# Altium PCB XTIDA-010086.PcbDoc (part 8 of 17) (continued)
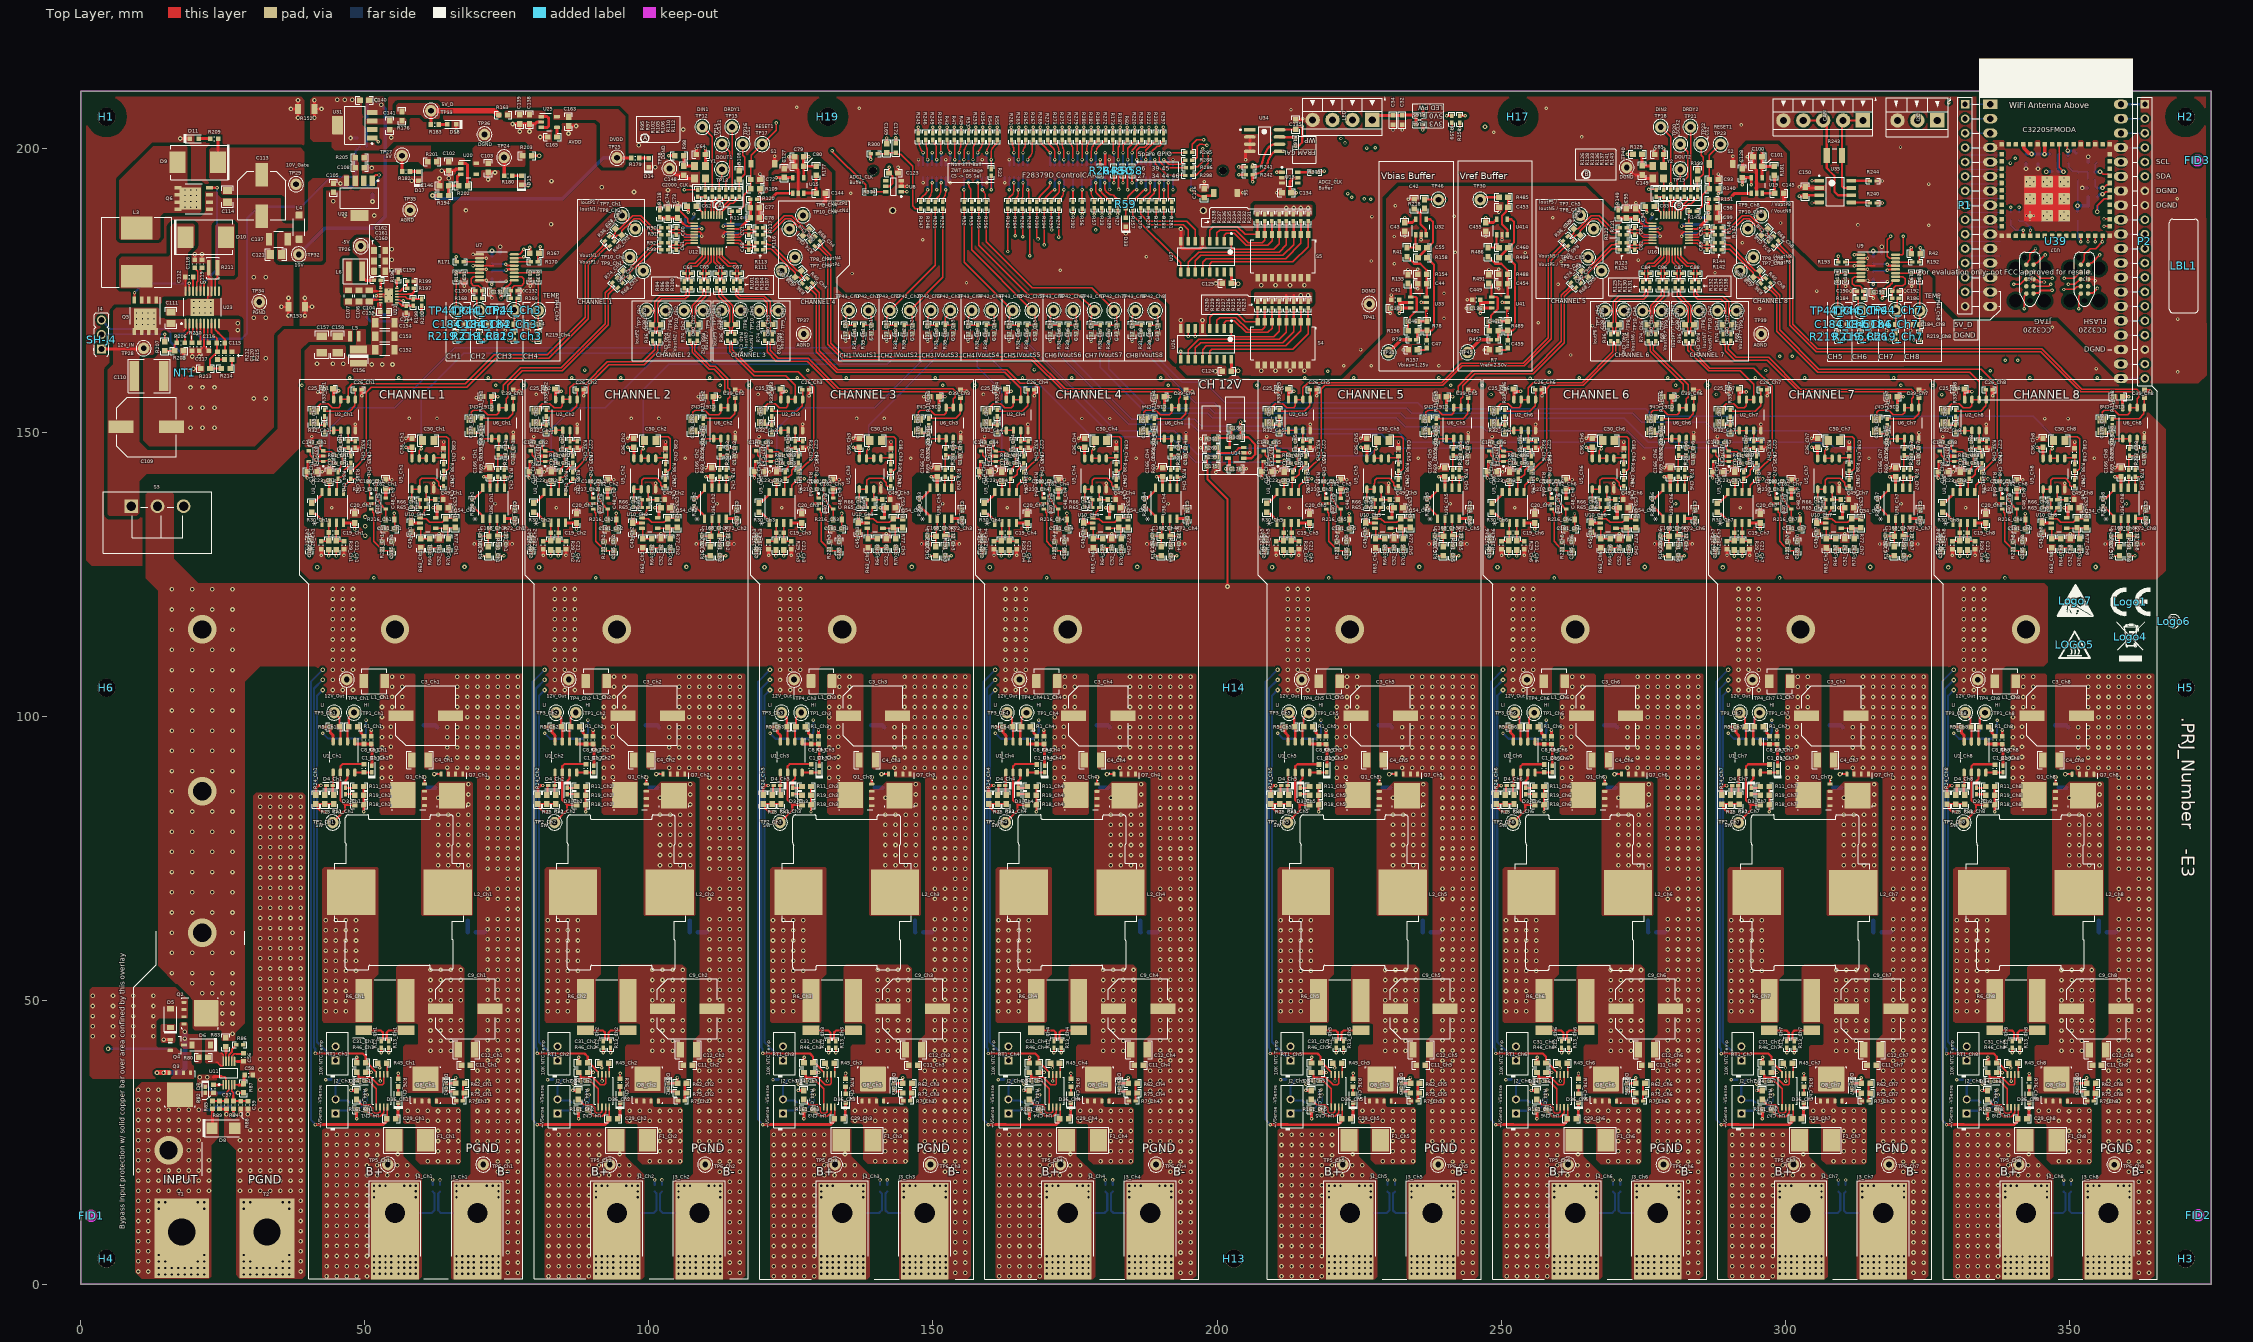
[diagram p0: Top Layer view]
## Nets (pads, with @x,y where several pads share a name; then routed paths per layer and width w, separated by ;. In a path a pad name is that pad's centre, name@x,y a point inside that pad or via, vN(x,y) a via of type N, cw(c..) or ccw(c..) an arc to the next point about the centre after c; other vN are vias at no path point) (continued)
  Top Layer w0.254: U17.35@348.258,200.622 348.258,196.582 v1(349.012,195.828)
  Bottom Layer w0.541: R306.1@348.247,198.933 348.141,198.827 348.141,197.458 348.111,197.428 D12.2@348.035,197.428 D13.2@348.035,195.828 v1(349.012,195.828)
CC3220_reset: D12.1
CLK1: R292.2 U8.1 | length 32.9
  Top Layer w0.254: U8.1@144.428,192.302 144.44,192.29 145.403,192.29 v2(145.415,192.278) ; v2(174.671,188.3) R292.2@174.671,189.327
  Signal Layer 1 w0.254: v2(145.415,192.278) 148.385,189.308 173.664,189.308 v2(174.671,188.3)
CLK2: R56.2 U13.1 | length 39.8
  Top Layer w0.254: v2(176.271,188.3) R56.2@176.271,189.327
  Top Layer w0.508: v2(210.497,195.745) U13.1@211.442,195.745
  Signal Layer 1 w0.254: v2(176.271,188.3) 176.329,188.357 176.329,189.308 178.613,191.592 200.152,191.592 201.625,193.065 207.817,193.065 v2(210.497,195.745)
CLK_Counter: R95.1 R97.1 U12.23 | length 4.6
  Top Layer w0.254: R95.1@108.588,191.45 R97.1@109.934,191.45 109.929,191.444 U12.23@109.929,188.214
CS1: R108.1 R112.2 R282.2 TP16.1 | length 96.7
  Top Layer w0.254: R112.2@115.878,192.65 115.878,194.425 R108.1@115.903,194.45 116.853,195.4 116.853,198.365 116.513,198.705 TP16.1@116.513,200.686 ; R282.2@177.833,202.606 v2(177.833,203.633)
  Signal Layer 1 w0.254: TP16.1@116.513,200.686 114.989,202.209 111.007,202.209 109.19,200.392 109.19,195.178 110.477,193.891 132.245,193.891 139.192,200.838 175.038,200.838 v2(177.833,203.633)
CS2: R139.1 R143.2 R285.2 TP22.1 | length 103.9
  Top Layer w0.254: R285.2@195.633,199.263 195.633,200.66 196.431,201.458 v2(197.626,201.458) ; R143.2@284.577,192.642 284.577,194.417 285.553,195.392 285.553,198.357 285.212,198.697 TP22.1@285.212,200.678
  Signal Layer 1 w0.254: v2(197.626,201.458) 208.33,201.458 209.17,200.617 219.009,200.617 221.963,197.663 264.305,197.663 268.775,202.133 283.756,202.133 TP22.1@285.212,200.678
CS+_Ch1: R12_Ch1.1 R29_Ch1.1 | length 108.1
  Top Layer w0.254: v2(44.994,128.188) R29_Ch1.1@44.994,129.255
  Top Layer w0.381: v2(52.883,40.742) R12_Ch1.1@52.883,41.598
  Signal Layer 1 w0.254: v2(44.994,128.188) 44.994,128.284 44.537,128.741 44.537,129.676 44.909,130.048 55.143,130.048 59.385,125.806 59.385,100.365 56.896,97.876 56.896,87.401 54.788,85.292 54.788,44.477 53.269,42.959 53.269,41.224 52.883,40.838 v2(52.883,40.742)
CS+_Ch2: R12_Ch2.1 R29_Ch2.1 | length 108.1
  Top Layer w0.254: v2(84.059,128.186) R29_Ch2.1@84.059,129.253
  Top Layer w0.381: v2(91.948,40.74) R12_Ch2.1@91.948,41.596
  Signal Layer 1 w0.254: v2(84.059,128.186) 84.059,128.282 83.602,128.739 83.602,129.674 83.974,130.046 94.209,130.046 98.45,125.804 98.45,100.363 95.961,97.874 95.961,87.399 93.853,85.29 93.853,44.475 92.334,42.957 92.334,41.222 91.948,40.836 v2(91.948,40.74)
CS+_Ch3: R12_Ch3.1 R29_Ch3.1 | length 108.1
  Top Layer w0.254: v2(123.734,128.184) R29_Ch3.1@123.734,129.251
  Top Layer w0.381: v2(131.623,40.738) R12_Ch3.1@131.623,41.594
  Signal Layer 1 w0.254: v2(123.734,128.184) 123.734,128.28 123.277,128.737 123.277,129.672 123.649,130.044 133.883,130.044 138.125,125.802 138.125,100.361 135.636,97.872 135.636,87.397 133.528,85.288 133.528,44.473 132.009,42.955 132.009,41.22 131.623,40.834 v2(131.623,40.738)
CS+_Ch4: R12_Ch4.1 R29_Ch4.1 | length 108.1
  Top Layer w0.254: v2(163.408,128.182) R29_Ch4.1@163.408,129.249
  Top Layer w0.381: v2(171.298,40.736) R12_Ch4.1@171.298,41.592
  Signal Layer 1 w0.254: v2(163.408,128.182) 163.408,128.278 162.952,128.735 162.952,129.67 163.324,130.042 173.558,130.042 177.8,125.8 177.8,100.359 175.311,97.87 175.311,87.395 173.203,85.286 173.203,44.471 171.684,42.953 171.684,41.218 171.298,40.832 v2(171.298,40.736)
CS+_Ch5: R12_Ch5.1 R29_Ch5.1 | length 108.1
  Top Layer w0.254: v2(213.083,128.18) R29_Ch5.1@213.083,129.247
  Top Layer w0.381: v2(220.972,40.734) R12_Ch5.1@220.972,41.59
  Signal Layer 1 w0.254: v2(213.083,128.18) 213.083,128.276 212.626,128.733 212.626,129.668 212.998,130.04 223.233,130.04 227.475,125.798 227.475,100.357 224.986,97.868 224.986,87.393 222.877,85.284 222.877,44.469 221.359,42.951 221.359,41.216 220.972,40.83 v2(220.972,40.734)
CS+_Ch6: R12_Ch6.1 R29_Ch6.1 | length 108.1
  Top Layer w0.254: v2(252.758,128.178) R29_Ch6.1@252.758,129.245
  Top Layer w0.381: v2(260.647,40.732) R12_Ch6.1@260.647,41.588
  Signal Layer 1 w0.254: v2(252.758,128.178) 252.758,128.274 252.301,128.731 252.301,129.666 252.673,130.038 262.908,130.038 267.15,125.796 267.15,100.355 264.66,97.866 264.66,87.391 262.552,85.282 262.552,44.467 261.033,42.949 261.033,41.214 260.647,40.828 v2(260.647,40.732)
CS+_Ch7: R12_Ch7.1 R29_Ch7.1 | length 108.1
  Top Layer w0.254: v2(292.433,128.176) R29_Ch7.1@292.433,129.243
  Top Layer w0.381: v2(300.322,40.73) R12_Ch7.1@300.322,41.586
  Signal Layer 1 w0.254: v2(292.433,128.176) 292.433,128.272 291.976,128.729 291.976,129.664 292.348,130.036 302.583,130.036 306.824,125.794 306.824,100.353 304.335,97.864 304.335,87.389 302.227,85.28 302.227,44.465 300.708,42.947 300.708,41.212 300.322,40.826 v2(300.322,40.73)
CS+_Ch8: R12_Ch8.1 R29_Ch8.1 | length 108.1
  Top Layer w0.254: v2(332.108,128.174) R29_Ch8.1@332.108,129.241
  Top Layer w0.381: v2(339.997,40.728) R12_Ch8.1@339.997,41.584
  Signal Layer 1 w0.254: v2(332.108,128.174) 332.108,128.27 331.651,128.727 331.651,129.662 332.023,130.034 342.257,130.034 346.499,125.792 346.499,100.351 344.01,97.862 344.01,87.387 341.902,85.278 341.902,44.463 340.383,42.945 340.383,41.21 339.997,40.824 v2(339.997,40.728)
CS-_Ch1: R13_Ch1.1 R28_Ch1.1 | length 109.8
  Top Layer w0.254: v2(43.622,128.188) R28_Ch1.1@43.622,129.255
  Top Layer w0.381: v2(54.178,40.742) R13_Ch1.1@54.178,41.598
  Signal Layer 1 w0.254: v2(43.622,128.188) 43.622,128.284 44.046,128.708 44.046,129.905 44.697,130.556 55.354,130.556 59.893,126.017 59.893,100.155 57.424,97.685 57.424,87.07 55.296,84.942 55.296,44.226 53.786,42.716 53.786,41.23 54.178,40.838 v2(54.178,40.742)
CS-_Ch2: R13_Ch2.1 R28_Ch2.1 | length 109.8
  Top Layer w0.254: v2(82.687,128.186) R28_Ch2.1@82.687,129.253
  Top Layer w0.381: v2(93.243,40.74) R13_Ch2.1@93.243,41.596
  Signal Layer 1 w0.254: v2(82.687,128.186) 82.687,128.282 83.111,128.706 83.111,129.903 83.762,130.554 94.419,130.554 98.958,126.015 98.958,100.153 96.489,97.683 96.489,87.068 94.361,84.94 94.361,44.224 92.851,42.714 92.851,41.228 93.243,40.836 v2(93.243,40.74)
CS-_Ch3: R13_Ch3.1 R28_Ch3.1 | length 109.8
  Top Layer w0.254: v2(122.362,128.184) R28_Ch3.1@122.362,129.251
  Top Layer w0.381: v2(132.918,40.738) R13_Ch3.1@132.918,41.594
  Signal Layer 1 w0.254: v2(122.362,128.184) 122.362,128.28 122.786,128.704 122.786,129.901 123.437,130.552 134.094,130.552 138.633,126.013 138.633,100.151 136.164,97.681 136.164,87.066 134.036,84.938 134.036,44.222 132.526,42.712 132.526,41.226 132.918,40.834 v2(132.918,40.738)
CS-_Ch4: R13_Ch4.1 R28_Ch4.1 | length 109.8
  Top Layer w0.254: v2(162.037,128.182) R28_Ch4.1@162.037,129.249
  Top Layer w0.381: v2(172.593,40.736) R13_Ch4.1@172.593,41.592
  Signal Layer 1 w0.254: v2(162.037,128.182) 162.037,128.278 162.461,128.702 162.461,129.899 163.112,130.55 173.769,130.55 178.308,126.011 178.308,100.149 175.839,97.679 175.839,87.064 173.711,84.936 173.711,44.22 172.201,42.71 172.201,41.224 172.593,40.832 v2(172.593,40.736)
CS-_Ch5: R13_Ch5.1 R28_Ch5.1 | length 109.8
  Top Layer w0.254: v2(211.712,128.18) R28_Ch5.1@211.712,129.247
  Top Layer w0.381: v2(222.268,40.734) R13_Ch5.1@222.268,41.59
  Signal Layer 1 w0.254: v2(211.712,128.18) 211.712,128.276 212.135,128.7 212.135,129.897 212.787,130.548 223.443,130.548 227.983,126.009 227.983,100.147 225.513,97.677 225.513,87.062 223.385,84.934 223.385,44.218 221.876,42.708 221.876,41.222 222.268,40.83 v2(222.268,40.734)
CS-_Ch6: R13_Ch6.1 R28_Ch6.1 | length 109.8
  Top Layer w0.254: v2(251.386,128.178) R28_Ch6.1@251.386,129.245
  Top Layer w0.381: v2(261.943,40.732) R13_Ch6.1@261.943,41.588
  Signal Layer 1 w0.254: v2(251.386,128.178) 251.386,128.274 251.81,128.698 251.81,129.895 252.461,130.546 263.118,130.546 267.658,126.007 267.658,100.145 265.188,97.675 265.188,87.06 263.06,84.932 263.06,44.216 261.551,42.706 261.551,41.22 261.943,40.828 v2(261.943,40.732)
CS-_Ch7: R13_Ch7.1 R28_Ch7.1 | length 109.8
  Top Layer w0.254: v2(291.061,128.176) R28_Ch7.1@291.061,129.243
  Top Layer w0.381: v2(301.617,40.73) R13_Ch7.1@301.617,41.586
  Signal Layer 1 w0.254: v2(291.061,128.176) 291.061,128.272 291.485,128.696 291.485,129.893 292.136,130.544 302.793,130.544 307.332,126.005 307.332,100.143 304.863,97.673 304.863,87.058 302.735,84.93 302.735,44.214 301.225,42.704 301.225,41.218 301.617,40.826 v2(301.617,40.73)
CS-_Ch8: R13_Ch8.1 R28_Ch8.1 | length 109.8
  Top Layer w0.254: v2(330.736,128.174) R28_Ch8.1@330.736,129.241
  Top Layer w0.381: v2(341.292,40.728) R13_Ch8.1@341.292,41.584
  Signal Layer 1 w0.254: v2(330.736,128.174) 330.736,128.27 331.16,128.694 331.16,129.891 331.811,130.542 342.468,130.542 347.007,126.003 347.007,100.141 344.538,97.671 344.538,87.056 342.41,84.928 342.41,44.212 340.9,42.702 340.9,41.216 341.292,40.824 v2(341.292,40.728)
DGND: C32.1 C34.1 C64.2 C72.1 C73.2 C74.2 C85.2 C93.1 C94.2 C95.2 C123.2 C124.2 C125.2 C126.2 C129.2 C134.2 C135.2 C138.2 C139.2 C140.2 C141.2 C143.2 C148.2 C149.2 C150.2 C163.2 C165.2 C189.2 C194.2 C195.2 CAN.5 D14.1 D18.1 D33.1 I2C.3 J5.10 J5.24 J5.38 J5.56 J5.74 J5.75 J5.83 J5.86 J5.92 J5.99 J5.102 J5.105 J5.108 J5.111 J5.114 J5.G1 J5.G2 J6.3 J7.3 LED.4 P1.15 P2.1 P2.7 P2.8 P2.18 R152.2 R244.1 R316.1 R317.1 R318.1 S1.2 S2.2 S4.9 S4.10 S4.11 S4.12 S4.13 S4.14 S4.15 S4.16 S5.9 S5.10 S5.11 S5.12 S5.13 S5.14 S5.15 S5.16 S6.2 TP36.1 TP38.1 TP40.1 TP41.1 U7.1 U7.2 U7.4 U8.2 U8.3 U9.2 U9.4 U12.25 U13.2 U13.3 U16.25 U17.1 U17.2 U17.16 U17.27 U17.28 U17.30 U17.32 U17.38 U17.43 U17.PAD U25.2 U26.5 U26.8 U27.5 U27.8 U31.5 U34.2 U34.3 U34.4 U35.2 U39.15 U39.16 U39.22 U39.23 U39.33 Y1.2 Y2.2 | length 179.2
  Top Layer w0.254: U7.4@70.188,179.312 72.661,179.312 ; 106.492,187.876 106.798,187.57 106.798,187.058 107.093,186.764 U12.25@107.979,186.764 ; 275.191,187.868 275.498,187.562 275.498,187.05 275.792,186.756 U16.25@276.678,186.756 ; U9.4@313.354,179.282 315.859,179.282 315.86,179.28 ; J6.3@343.733,176.921 343.837,176.816 344.359,176.816 344.635,176.54 344.698,176.54 344.753,176.484 345.522,176.484 v2(345.59,176.416) ; J7.3@353.338,176.921 353.384,176.874 354.357,176.874 v2(354.619,176.612)
  Top Layer w0.381: v2(69.035,179.311) U7.4@70.187,179.311 ; v2(69.035,181.261) U7.1@70.187,181.261 ; U7.2@70.188,180.612 v2(71.341,180.613) ; C73.2@105.032,189.294 105.074,189.294 106.492,187.876 ; U27.8@193.642,183.589 193.642,182.451 193.885,182.208 197.149,182.208 197.452,182.511 U27.5@197.452,183.589 ; C94.2@273.731,189.286 273.774,189.286 275.191,187.868 ; v2(312.201,179.28) U9.4@313.352,179.28 ; U9.2@313.355,180.583 v2(314.507,180.583)
  Top Layer w0.508: v1(41.112,205.336) R152.2@41.112,206.883 ; v1(41.112,208.43) R152.2@41.112,206.883 ; v1(42.36,206.883) R152.2@41.112,206.883 ; v1(66.078,202.989) D18.1@66.078,204.155 ; v1(76.001,204.229) C139.2@77.267,204.229 ; v1(77.267,202.903) C139.2@77.267,204.229 ; v1(78.982,202.903) C138.2@78.982,204.229 ; v1(80.882,201.93) C165.2@82.207,201.93 ; U25.2@81.061,204.572 80.269,204.572 79.926,204.229 C138.2@78.982,204.229 ; v1(85.852,202.548) C163.2@85.852,203.873 v1(87.177,203.873) ; D14.1@99.952,196.634 v1(101.118,196.634) ; C74.2@103.356,189.294 103.366,189.304 v2(103.366,190.389) ; TP38.1@103.607,196.403 104.785,195.225 C148.2@106.147,195.225 106.738,194.633 Y1.2@108.044,194.633 ; C73.2@105.032,189.294 105.042,189.304 v2(105.042,190.389) ; C64.2@108.349,198.859 v2(108.349,199.914) ; C72.1@119.548,194.463 v2(119.548,195.416) ; S1.2@122.118,197.231 v2(122.118,198.55) ; C123.2@143.858,195.605 v2(143.858,196.621) ; U8.3@144.428,194.202 U8.2@144.428,193.252 v2(145.444,193.252) ; v1(183.947,184.963) D33.1@183.947,186.119 ; v1(193.63,169.702) 193.642,169.69 U26.8@193.642,168.231 ; U27.8@193.642,183.589 v1@193.642,185.735 ; U26.5@197.452,168.231 v1(197.452,169.702) ; C126.2@197.779,192.862 v2(197.779,194.075) ; v1(199.738,160.679) 200.894,160.679 C124.2@200.932,160.718 C124.2@200.944,160.73 ; v1(199.789,176.164) C125.2@200.944,176.164 C125.2@200.995,176.215 ; S6.2@203.587,192.102 v2(204.532,192.102) ; v2(205.029,197.917) 205.048,197.936 205.048,199.36 205.093,199.405 U34.4@205.478,199.405 ; U34.4@205.774,199.405 U34.3@205.774,200.675 U34.2@205.774,201.945 ; v2(210.48,192.102) C134.2@211.426,192.102 ; C135.2@213.843,204.94 214.387,204.94 ccw(c214.387,206.21) v2(215.056,205.13) ; v2(230.978,203.185) C34.1@230.978,204.13 ; v2(232.597,203.185) C32.1@232.597,204.13 ; C95.2@272.055,189.286 272.065,189.296 v2(272.065,190.381) ; TP40.1@272.11,196.561 273.421,195.25 C149.2@274.829,195.25 275.429,194.65 Y2.2@276.718,194.65 ; C94.2@273.731,189.286 273.742,189.296 v2(273.742,190.381) ; C85.2@277.034,198.837 C85.2@277.046,198.849 v2(277.046,199.855) ; C93.1@288.247,194.455 v2(288.247,195.408) ; S2.2@290.818,197.223 v2(290.818,198.542) ; v2(302.513,193.146) C150.2@303.529,193.146 303.711,192.964 U35.2@306.014,192.964 ; R244.1@316.101,194.192 v2(317.117,194.192) ; C139.2@77.267,204.229 C138.2@78.982,204.229
  Bottom Layer w0.2: 331.695,181.028 337.909,181.028 ; 331.695,183.568 337.909,183.568 ; 331.695,186.108 337.909,186.108 ; 331.695,188.648 337.909,188.648 ; 331.695,191.188 337.909,191.188 ; 331.695,193.728 337.909,193.728 ; 331.695,196.268 337.909,196.268 ; 331.695,198.808 337.909,198.808
  Bottom Layer w0.381: J5.114@147.45,196.925 v2(147.45,197.959) ; v2(148.25,193.891) J5.111@148.25,194.925 ; J5.108@149.85,196.925 v2(149.85,199.191) ; v2(150.65,192.659) J5.105@150.65,194.925 ; J5.102@152.25,196.925 v2(152.25,197.959) ; v2(153.05,193.891) J5.99@153.05,194.925 ; J5.92@156.25,196.925 v2(156.25,199.191) ; J5.86@158.65,196.925 v2(158.65,197.959) ; v2(159.45,193.891) J5.83@159.45,194.925 ; v2(162.65,193.891) J5.75@162.65,194.925 ; J5.74@163.45,196.925 v2(163.45,197.959) ; J5.56@173.85,196.925 v2(173.85,199.191) ; J5.38@181.05,196.925 v2(181.05,197.959) ; J5.24@186.65,196.925 v2(186.65,199.191) ; J5.10@192.25,196.925 v2(192.25,197.959) ; U39.16@359.118,207.696 P2.1@363.325,207.696
  Bottom Layer w0.508: v1(47.483,201.767) C143.2@48.73,201.767
  Bottom Layer w0.541: C129.2@73.795,181.463 73.835,181.503 v1(73.835,182.636) ; C189.2@316.961,181.433 317,181.473 v1(317,182.606) ; v1(342.41,196.363) C194.2@342.41,197.34 ; v1(344.524,196.33) C195.2@344.524,197.306 ; v1(352.323,192.974) R316.1@353.3,192.974 ; R317.1@353.362,197.472 v1(353.362,198.449)
  other v1: 207.764,160.768 210.304,160.768 212.844,160.768 215.384,160.768 207.764,175.834 210.304,175.834 212.844,175.834 215.384,175.834 193.63,185.763 82.774,186.598 67.789,189.015 97.373,192.251 103.358,192.594 91.695,193.072 82.847,194.173 98.211,200.473 54.635,201.854 106.026,203.263 45.119,208.497 46.458,208.497 47.797,208.497
  other v2: 369.113,160.579 222.301,161.671 225.267,164.527 369.113,169.891 155.904,176.304 135.756,177.912 172.4,178.474 369.113,179.756 227.171,180.108 187.579,180.848 148.193,183.876 325.269,186.388 312.818,186.463 227.272,187.931 369.011,191.084 135.501,192.044 325.269,193.656 220.948,194.357 320.313,200.163 264.188,201.948 248.731,202.76 292.279,204.065 213.026,206.756 137.033,206.985 257.937,206.985 126.037,207.154
DIN1: R102.2 R277.1 TP12.1 | length 82.4
  Top Layer w0.254: TP12.1@109.401,203.708 111.153,201.956 R102.2@111.153,192.65 ; R277.1@174.011,202.606 v2(174.011,203.633)
  Signal Layer 1 w0.254: TP12.1@109.401,203.708 111.192,205.5 119.654,205.5 123.782,201.371 134.899,201.371 139.028,205.5 172.144,205.5 v2(174.011,203.633)
DIN2: R133.2 R298.1 TP18.1 | length 100.8
  Top Layer w0.254: R298.1@195.633,195.162 196.38,195.162 198.499,197.28 v2(198.499,198.958) ; TP18.1@278.1,203.7 279.853,201.948 R133.2@279.853,192.642
  Signal Layer 1 w0.254: v2(198.499,198.958) 198.567,198.89 199.18,198.89 199.252,198.818 217.767,198.818 220.929,195.656 266.778,195.656 268.716,193.719 v2(279.875,193.719)
DOUT1: R105.2 R279.1 TP13.1 | length 70.3
  Top Layer w0.254: R105.2@112.347,192.65 112.347,194.299 112.855,194.807 TP13.1@112.855,196.241 ; R279.1@175.285,202.606 v2(175.285,203.633)
  Signal Layer 1 w0.254: TP13.1@112.855,196.241 115.522,198.907 120.252,198.907 122.182,200.838 135.585,200.838 137.693,202.946 174.598,202.946 v2(175.285,203.633)
DOUT2: R136.2 R286.1 TP19.1 | length 95
  Top Layer w0.254: R286.1@195.659,196.535 195.832,196.708 196.566,196.708 197.474,197.616 v2(197.474,199.892) ; R136.2@281.046,192.642 281.046,194.291 281.554,194.799 TP19.1@281.554,196.233
  Signal Layer 1 w0.254: v2(197.474,199.892) 197.57,199.892 197.92,199.542 218.008,199.542 221.247,196.304 267.442,196.304 268.775,194.97 276.962,194.97 278.224,196.233 TP19.1@281.554,196.233
DRDY1: R110.2 R272.2 TP15.1 | length 103.9
  Top Layer w0.254: TP15.1@114.643,203.708 114.684,203.667 R110.2@114.684,192.65 ; R272.2@180.381,202.606 v2(180.381,203.633)
  Signal Layer 1 w0.254: TP15.1@114.643,203.708 111.557,203.708 109.55,201.701 108.166,201.701 107.671,201.206 107.671,195.25 109.669,193.252 133.093,193.252 139.942,200.101 176.849,200.101 v2(180.381,203.633)
DRDY2: R141.2 R297.1 TP21.1 | length 110.4
  Top Layer w0.254: R297.1@190.573,202.606 v2(190.573,203.635) ; TP21.1@283.342,203.7 283.383,203.659 R141.2@283.383,192.642
  Signal Layer 1 w0.254: v2(190.573,203.635) 207.921,203.635 210.363,201.193 219.5,201.193 222.269,198.425 263.746,198.425 270.477,205.156 281.886,205.156 TP21.1@283.342,203.7
DRDY3: R167.1 R170.2 R296.2 | length 133.7
  Top Layer w0.254: R170.2@80.417,179.962 80.417,181.225 R167.1@80.642,181.451 80.882,181.69 v2(80.882,182.636) ; R296.2@186.751,202.606 v2(186.751,203.633)
  Signal Layer 2 w0.254: v2(80.882,182.636) 81.352,182.636 87.757,189.04 87.757,200.439 94.506,207.188 123.426,207.188 128.709,201.905 134.073,201.905 140.88,208.712 181.672,208.712 v2(186.751,203.633)
DRDY4: R42.1 R192.2 R222.2 | length 163.2
  Top Layer w0.254: R222.2@188.025,202.606 v2(188.025,203.633) ; R192.2@323.582,179.932 323.582,181.195 R42.1@323.808,181.421 ; R42.1@323.827,181.44 v2(323.827,182.43)
  Signal Layer 1 w0.254: v2(188.025,203.633) 189.728,201.93 193.497,201.93 197.224,198.203 202.152,198.203 203.098,197.256 205.334,197.256 205.842,197.764 215.875,197.764 220.243,193.396 221.767,193.396 222.733,194.361 265.61,194.361 268.226,191.745 282.439,191.745 292.167,201.473 301.041,201.473 303.505,199.009 303.505,189.154 309.169,183.49 322.768,183.49 v2(323.827,182.43)
DVDD: C64.1 C85.1 C123.1 C124.1 C125.1 C134.1 C135.1 C150.1 C163.1 C194.1 C195.1 J6.1 J7.1 R42.2 R98.2 R108.2 R109.2 R118.2 R129.2 R139.2 R140.2 R149.2 R162.1 R164.1 R166.2 R167.2 R178.2 R179.1 R194.1 R203.2 R223.1 R224.1 R225.1 R226.1 R227.1 R228.1 R229.1 R230.1 R231.1 R232.1 R233.1 R234.1 R235.1 R236.1 R237.1 R238.1 R240.2 R241.2 R242.2 R258.2 R259.2 R306.2 R307.2 R308.2 R309.2 R312.2 TP25.1 U8.5 U9.1 U13.5 U17.37 U17.40 U25.5 U26.16 U27.16 U34.8 U35.3 Y1.4 Y2.4 | length 226.4
  Top Layer w0.381: U8.5@141.678,193.252 142.342,193.252 142.9,193.81 142.9,194.599 142.855,194.644 142.855,195.033 142.283,195.605 C123.1@142.258,195.605 142.283,195.63 v2@142.283,196.584 ; U34.8@211.007,203.215 211.049,203.258 213.76,203.258 C135.1@213.843,203.34 ; R226.1@212.2,172.978 212.2,174.072 ; R234.1@212.2,188.336 v1(212.2,189.43) ; R225.1@213.496,172.978 213.496,174.072 ; R233.1@213.496,188.336 v1(213.496,189.43) ; R162.1@213.843,200.419 213.92,200.497 214.498,200.497 215.012,201.011 v2(215.012,203.812) ; R224.1@214.74,172.978 v1(214.74,174.072) ; R232.1@214.74,188.336 v1(214.74,189.43) ; R223.1@216.036,172.978 v1(216.036,174.072) ; R231.1@216.036,188.336 v1(216.036,189.43) ; C150.1@303.529,191.546 303.677,191.694 U35.3@306.014,191.694 ; v2(312.201,181.23) U9.1@313.352,181.23 ; J6.1@343.733,174.381 343.813,174.461 344.551,174.461 345.028,174.938 v2(346.988,174.938) ; J7.1@353.338,174.381 353.418,174.461 354.156,174.461 v2(354.975,175.28)
  Top Layer w0.508: v1(61.91,191.647) R194.1@63.142,191.647 ; R203.2@79.36,198.64 v1(80.685,198.64) ; TP25.1@94.361,198.272 96.861,198.272 R179.1@96.887,198.247 ; R118.2@101.908,189.043 101.918,189.053 v2(101.918,190.059) ; v2(103.474,198.659) R98.2@104.528,198.659 ; Y1.4@109.944,196.833 109.944,198.855 C64.1@109.947,198.857 v2(109.947,199.912) ; R108.2@115.903,196.05 v2(115.903,197.231) ; R109.2@119.548,192.837 119.558,192.827 v2(119.558,191.915) ; C123.1@142.283,195.605 C123.1@142.283,195.63 ; v2@142.283,196.584 v2(142.283,196.621) ; C124.1@202.532,160.718 C124.1@202.583,160.768 ; C124.1@202.532,160.819 U26.16@202.532,162.831 ; C125.1@202.532,176.075 202.583,176.126 v1(203.738,176.126) ; C125.1@202.532,176.177 U27.16@202.532,178.189 ; C124.1@202.626,160.725 C124.1@202.583,160.768 ; v1(203.738,160.768) C124.1@202.583,160.768 ; v2(203.85,195.288) R242.2@205.063,195.288 ; v2(203.85,196.66) R241.2@205.063,196.66 ; C135.1@213.843,203.34 214.314,203.812 v2(215.012,203.812) ; v2(213.971,192.102) C134.1@213.026,192.102 212.819,192.309 212.819,194.051 213.517,194.749 214.146,194.749 U13.5@214.192,194.795 ; v2(236.234,203.17) R164.1@236.234,204.115 ; v2(240.405,205.68) R259.2@241.351,205.68 ; R258.2@242.748,205.68 v2(243.693,205.68) ; R149.2@270.607,189.035 270.617,189.045 v2(270.617,190.051) ; v2(272.209,198.907) R129.2@273.215,198.907 R129.2@273.227,198.895 ; Y2.4@278.644,196.825 278.644,198.847 278.656,198.859 v2(278.656,199.865) ; R139.2@284.602,196.042 v2(284.602,197.223) ; v2(288.247,191.956) R140.2@288.247,192.829 ; v2(302.513,191.546) C150.1@303.529,191.546 ; R240.2@316.101,190.322 v2(317.117,190.322)
  Top Layer w0.541: R167.2@79.042,181.451 v2(79.042,182.517) ; R42.2@322.208,181.421 v2(322.208,182.487)
  Top Layer w0.635: U17.40@341.908,200.622 341.991,200.539 341.991,200.018 342.92,199.088 343.19,199.088 343.338,198.94 v1(343.386,198.94) ; v1(345.67,198.933) 345.694,198.957 345.694,200.598 U17.37@345.718,200.622
  Power Layer w0.2: 331.695,181.028 337.909,181.028 ; 331.695,183.568 337.909,183.568 ; 331.695,186.108 337.909,186.108 ; 331.695,188.648 337.909,188.648 ; 331.695,191.188 337.909,191.188 ; 331.695,193.728 337.909,193.728 ; 331.695,196.268 337.909,196.268 ; 331.695,198.808 337.909,198.808
  Power Layer w0.508: v1(80.685,198.64) 82.441,198.64 83.185,199.384 83.185,204.178 83.236,204.229
  Power Layer w0.635: 61.143,202.697 61.143,193.529 61.876,192.796 61.876,191.681 v1(61.91,191.647)
  Signal Layer 2 w0.508: v2(79.042,182.517) 80.685,184.16 v1(80.685,198.64)
  Signal Layer 2 w0.635: v1(61.91,191.647) 61.958,191.647 62.911,190.695 63.583,190.695 v1(72.371,181.906)
  Bottom Layer w0.254: v1(351.473,189.849) 351.473,194.25 R312.2@351.619,194.396
  Bottom Layer w0.541: R166.2@72.349,180.908 72.371,180.93 v1(72.371,181.906) ; R178.2@315.515,180.878 315.537,180.9 v1(315.537,181.876) ; C194.1@342.41,198.94 v1(343.386,198.94) ; v1@343.386,198.933 v1(345.67,198.933) R306.2@346.647,198.933 ; R309.2@351.473,188.872 v1(351.473,189.849)
  Bottom Layer w0.635: v1(61.91,191.647) 62.455,191.102 84.828,191.102 91.999,198.272 TP25.1@94.361,198.272 ; v1(351.473,189.849) 351.507,189.815 353.304,189.815 R308.2@353.362,189.756 R307.2@353.362,191.376
EN_A: R276.1 U26.9 | length 29
  Top Layer w0.254: v2(189.314,187.799) R276.1@189.314,189.364 ; U26.9@193.642,162.831 v2(193.642,164.241)
  Signal Layer 2 w0.254: v2@189.332,187.799 189.332,186.226 194.462,181.095 194.462,168.402 193.642,167.581 v2(193.642,164.241)
EN_B: R283.1 U26.7 | length 25.9
  Top Layer w0.254: v2(190.636,187.804) 190.636,189.32 R283.1@190.68,189.364 ; v2(194.912,166.821) U26.7@194.912,168.231
  Signal Layer 2 w0.254: v2(190.636,187.804) 190.636,186.12 195.148,181.608 195.148,167.574 194.98,167.405 194.98,166.889 v2(194.912,166.821)
EN_C: R281.2 U26.6 | length 25.7
  Top Layer w0.254: v2(192.01,187.848) 192.01,189.329 R281.2@192.045,189.364 ; v2(196.182,166.821) U26.6@196.182,168.231
  Signal Layer 2 w0.254: v2(192.01,187.848) 192.01,185.74 196.182,181.569 v2(196.182,166.821)
EN_CH1: R226.2 S4.4 U26.10 | length 24.5
  Top Layer w0.254: U26.10@194.901,162.82 U26.10@194.912,162.831 194.912,164.49 196.755,166.333 210.954,166.333 212.226,167.605 S4.4@212.226,169.432 ; U26.10@194.967,162.943 U26.10@194.978,162.953
  Top Layer w0.381: S4.4@212.226,169.432 212.226,170.605 R226.2@212.226,171.778
EN_CH2: R225.2 S4.3 U26.11 | length 24.7
  Top Layer w0.254: U26.11@196.182,162.831 196.171,162.82 196.171,164.834 197.096,165.76 211.6,165.76 213.496,167.656 S4.3@213.496,169.432 ; U26.11@196.237,162.943 U26.11@196.248,162.953
  Top Layer w0.381: S4.3@213.496,169.432 213.496,170.605 R225.2@213.496,171.778
EN_CH3: R224.2 S4.2 U26.12 | length 24.4
  Top Layer w0.254: U26.12@197.474,162.809 U26.12@197.452,162.831 197.452,164.515 198.112,165.175 212.108,165.175 214.766,167.834 S4.2@214.766,169.432 ; U26.12@197.518,162.953 U26.12@197.54,162.931
  Top Layer w0.381: R224.2@214.74,171.778 214.766,171.753 214.766,170.592 S4.2@214.766,169.432
EN_CH4: R223.2 S4.1 U26.13 | length 24.5
  Top Layer w0.254: U26.13@198.722,162.831 198.711,162.82 198.711,164.199 199.103,164.591 213.352,164.591 216.036,167.275 S4.1@216.036,169.432 ; U26.13@198.777,162.943 U26.13@198.788,162.953
  Top Layer w0.381: S4.1@216.036,169.432 216.036,170.605 R223.2@216.036,171.778
EN_CH5: R227.2 S4.5 U26.1 | length 14.1
  Top Layer w0.254: U26.1@202.532,168.231 202.532,167.106 202.837,166.801 209.999,166.801 210.956,167.757 S4.5@210.956,169.432
  Top Layer w0.381: S4.5@210.956,169.432 210.956,170.605 R227.2@210.956,171.778
EN_CH6: R228.2 S4.6 U26.2 | length 14.2
  Top Layer w0.254: U26.2@201.262,168.231 201.262,169.265 201.592,169.595 203.065,169.595 205.123,167.538 208.933,167.538 209.686,168.291 S4.6@209.686,169.432
  Top Layer w0.381: S4.6@209.686,169.432 209.686,170.605 R228.2@209.686,171.778
EN_CH7: R229.2 S4.7 U26.3 | length 14.5
  Top Layer w0.254: U26.3@199.992,168.231 199.992,169.697 200.449,170.154 203.319,170.154 205.478,167.995 207.962,167.995 208.416,168.449 S4.7@208.416,169.432
  Top Layer w0.381: S4.7@208.416,169.432 208.416,170.605 R229.2@208.416,171.778
EN_CH8: R230.2 S4.8 U26.4 | length 13.5
  Top Layer w0.254: U26.4@198.722,168.231 198.722,170.179 199.331,170.789 203.599,170.789 204.956,169.432 S4.8@207.146,169.432
  Top Layer w0.381: S4.8@207.146,169.432 R230.2@207.146,171.778
EPWM_A1: R2_Ch1.2 R261.1 | length 199
  Top Layer w0.254: R261.1@163.819,202.606 v2(163.819,203.633)
  Signal Layer 2 w0.254: v2(50.206,99.304) 50.648,99.746 50.648,125.197 53.823,128.372 53.823,158.648 55.541,160.367 61.434,160.367 62.382,161.315 81.89,161.315 96.19,175.616 111.684,175.616 142.164,206.096 162.491,206.096 163.819,204.768 v2(163.819,203.633)
  Bottom Layer w0.381: R2_Ch1.2@47.145,96.026 49.279,96.026 49.926,96.673 ccw(c49.253,97.347) 50.206,97.347 v2(50.206,99.304)
EPWM_A2: R2_Ch2.2 R265.1 | length 176.2
  Top Layer w0.254: R265.1@166.367,202.606 v2(166.367,203.633)
  Signal Layer 2 w0.254: v2(89.271,99.302) 89.713,99.744 89.713,125.195 92.888,128.37 92.888,157.859 92.888,169.139 97.561,173.812 123.622,173.812 133.198,183.388 133.198,194.691 143.274,204.768 161.373,204.768 162.103,204.038 162.103,202.895 163.043,201.955 165.85,201.955 166.367,202.472 v2(166.367,203.633)
  Bottom Layer w0.381: R2_Ch2.2@86.21,96.024 88.345,96.024 88.992,96.671 ccw(c88.319,97.345) 89.271,97.345 v2(89.271,99.302)
EPWM_A3: R2_Ch3.2 R262.1 | length 124.8
  Top Layer w0.254: v2(163.175,181.783) 163.178,181.786 R262.1@163.178,189.322
  Signal Layer 2 w0.254: v2(128.946,99.3) 129.388,99.742 129.388,125.193 132.563,128.368 132.563,159.817 135.204,162.458 160.528,162.458 162.465,164.396 162.465,181.073 v2(163.175,181.783)
  Bottom Layer w0.381: R2_Ch3.2@125.885,96.022 128.019,96.022 128.666,96.669 ccw(c127.993,97.343) 128.946,97.343 v2(128.946,99.3)